# Altium PCB PiMX8MPIO_r0.1.PcbDoc (part 1 of 5)
Units mm, origin at the board's own origin, x right, y up, seen from the top; angles counter-clockwise.
Board outline 55 x 40 mm, 8 copper layers (L1 Top, L2 GND, L3 SIG, L4 GND, L5 (PWR), L6 SIG, L7 GND, L8 SIG), stack 1.624 mm thick; 131 components, 147 nets, 777 pads, 700 vias.
Unrouted connection lines stored in the file: 1.
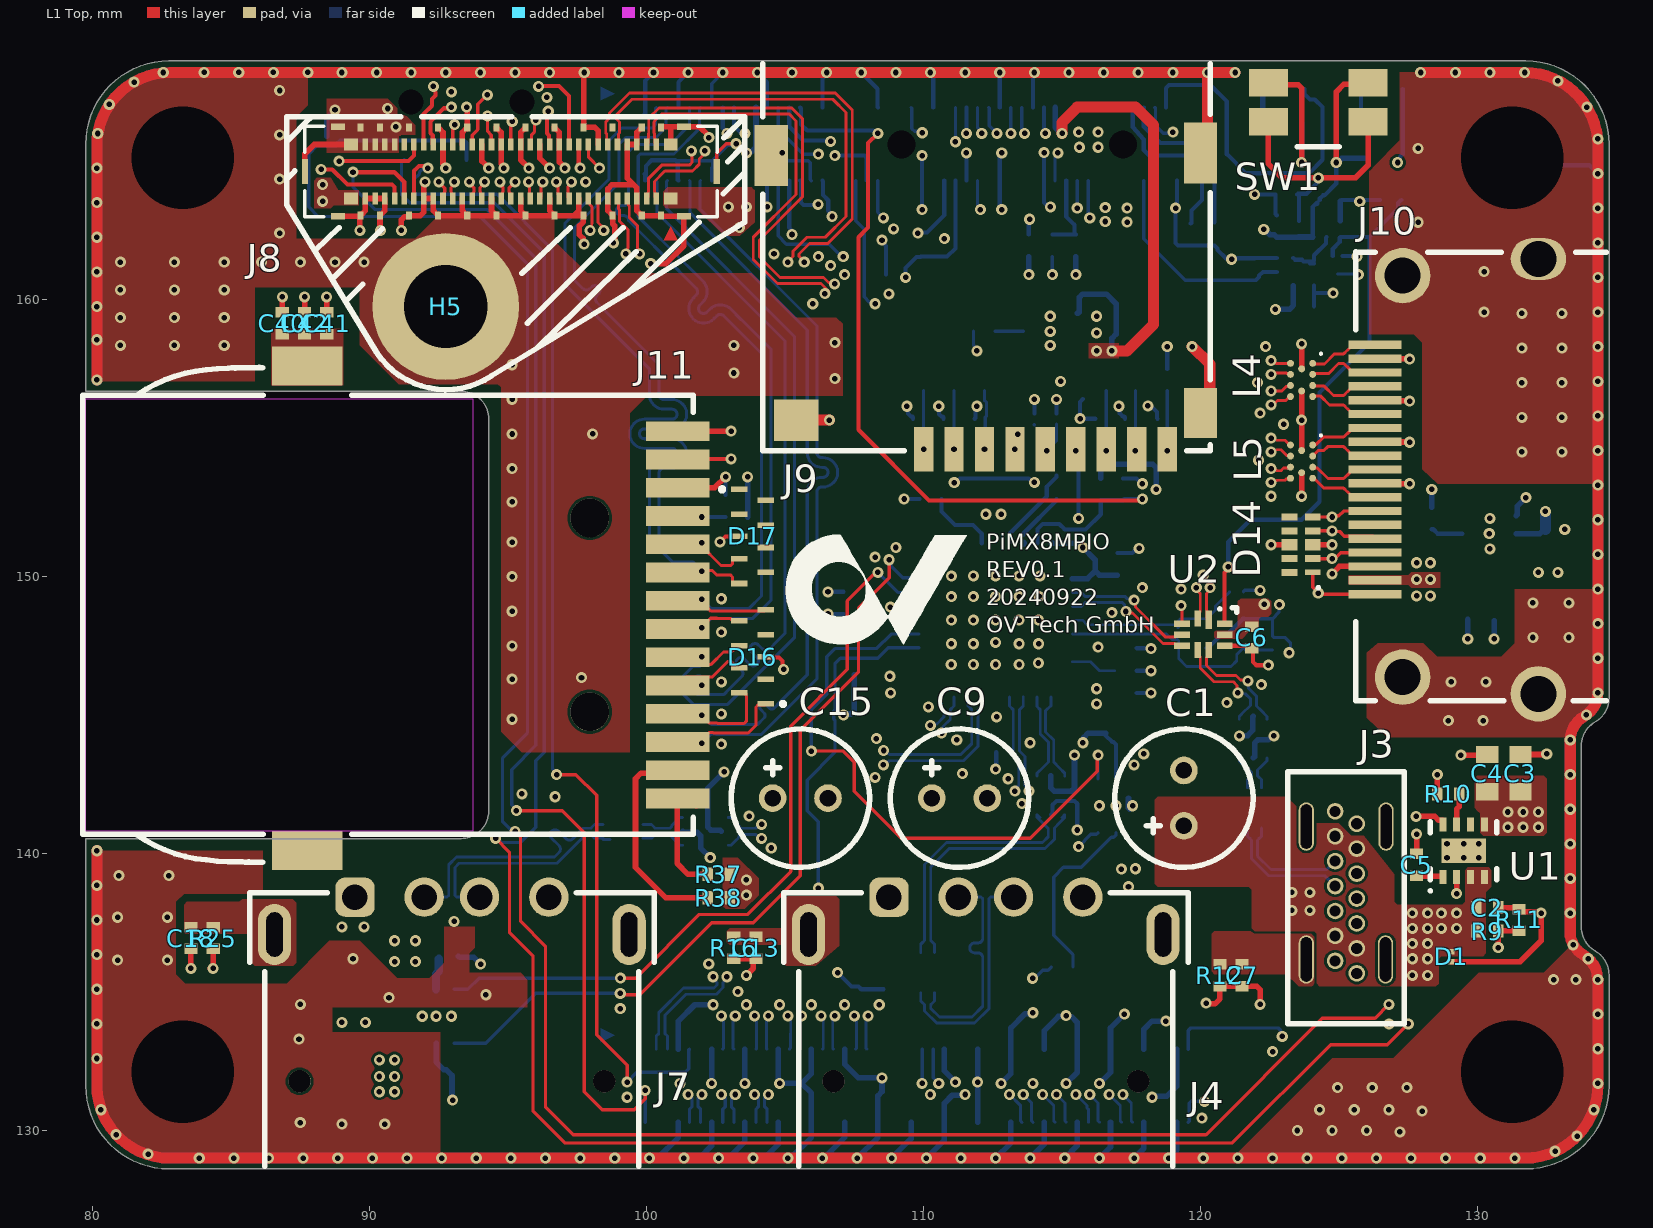
[diagram p0: L1 Top view]
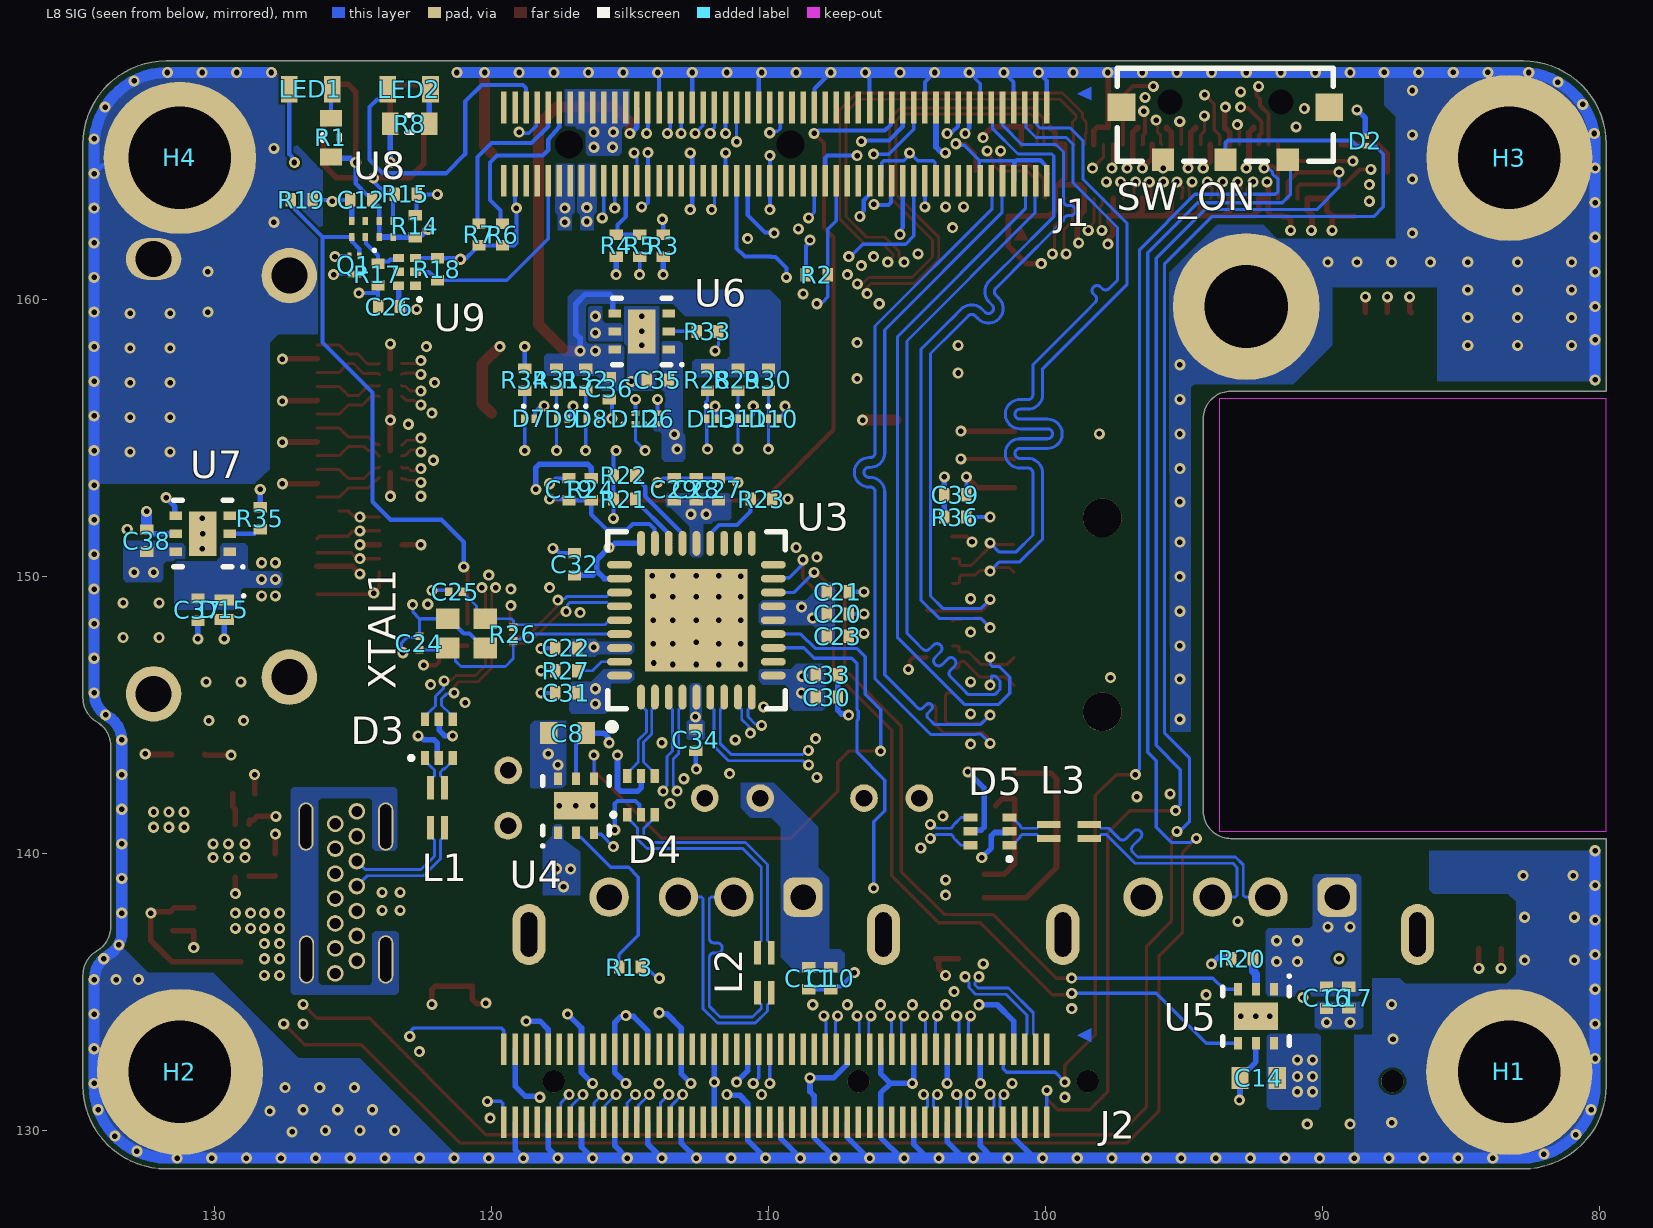
[diagram p1: L8 SIG view, seen from below]
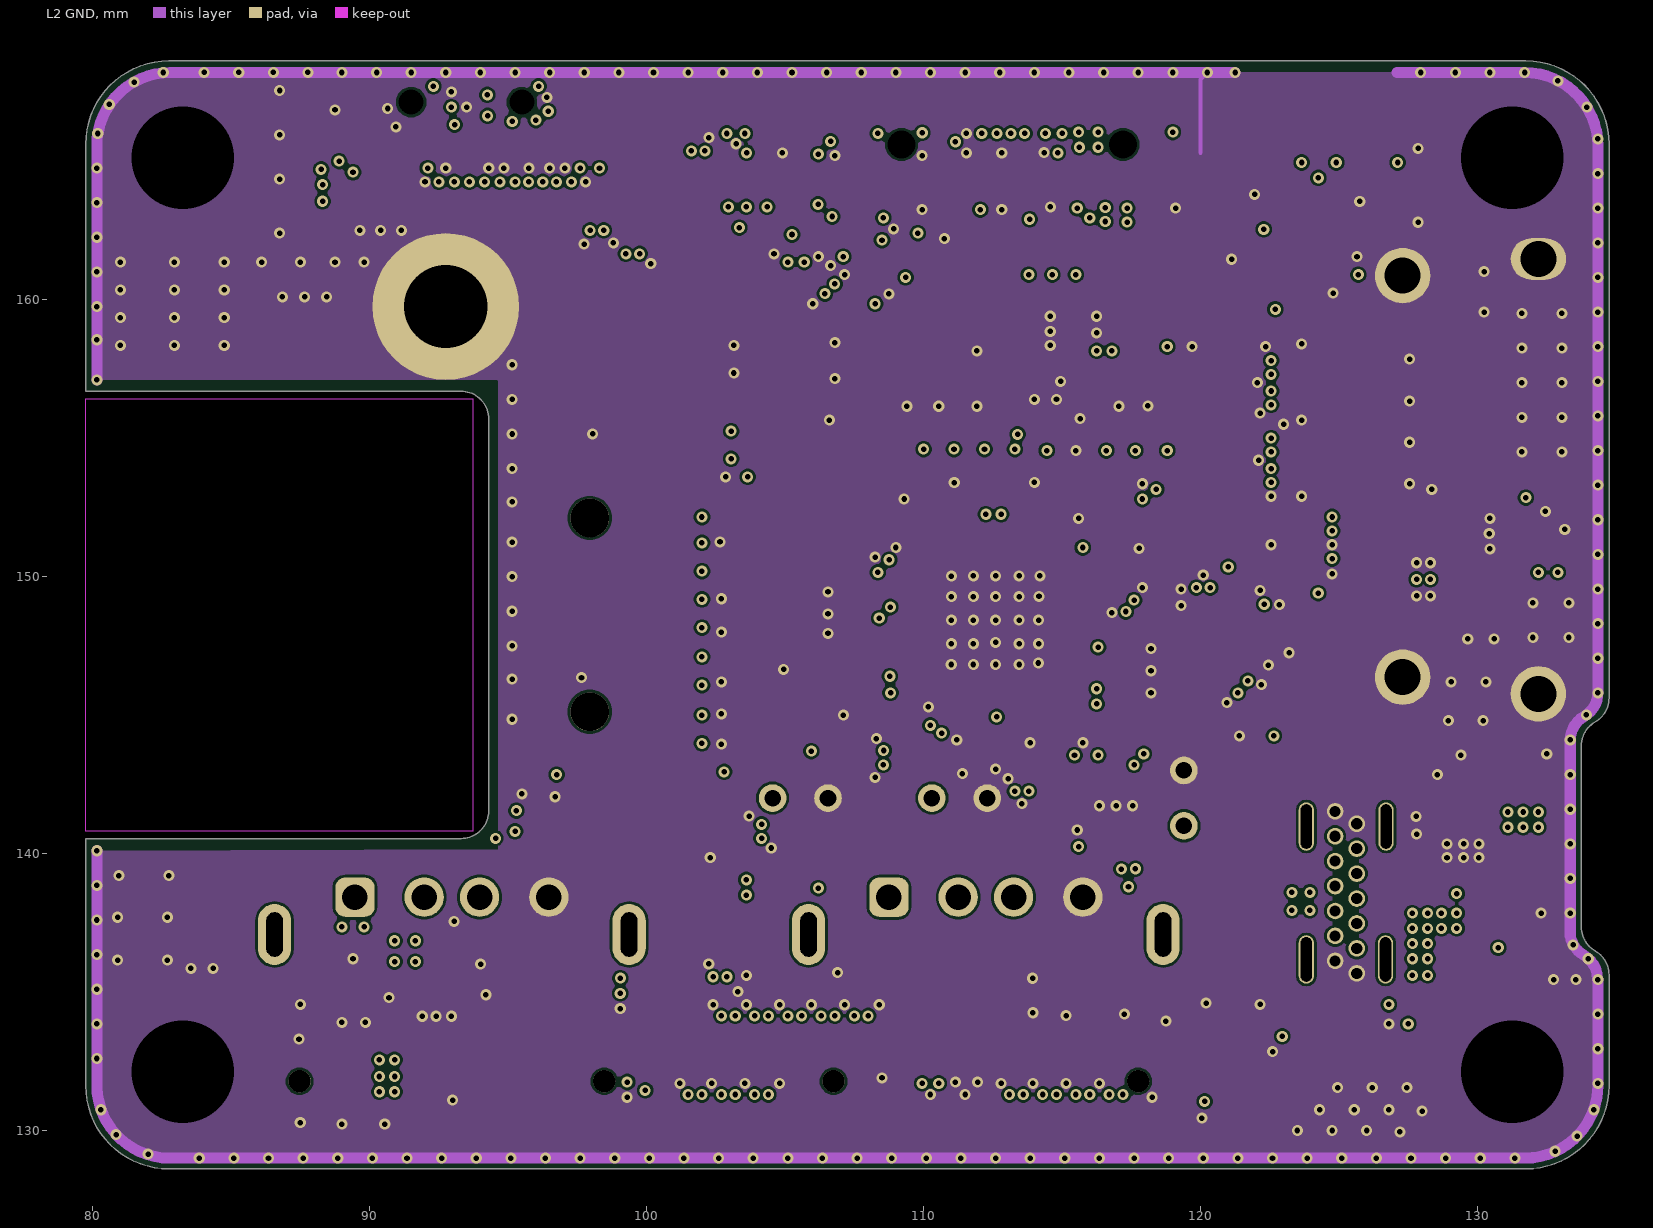
[diagram p2: L2 GND]
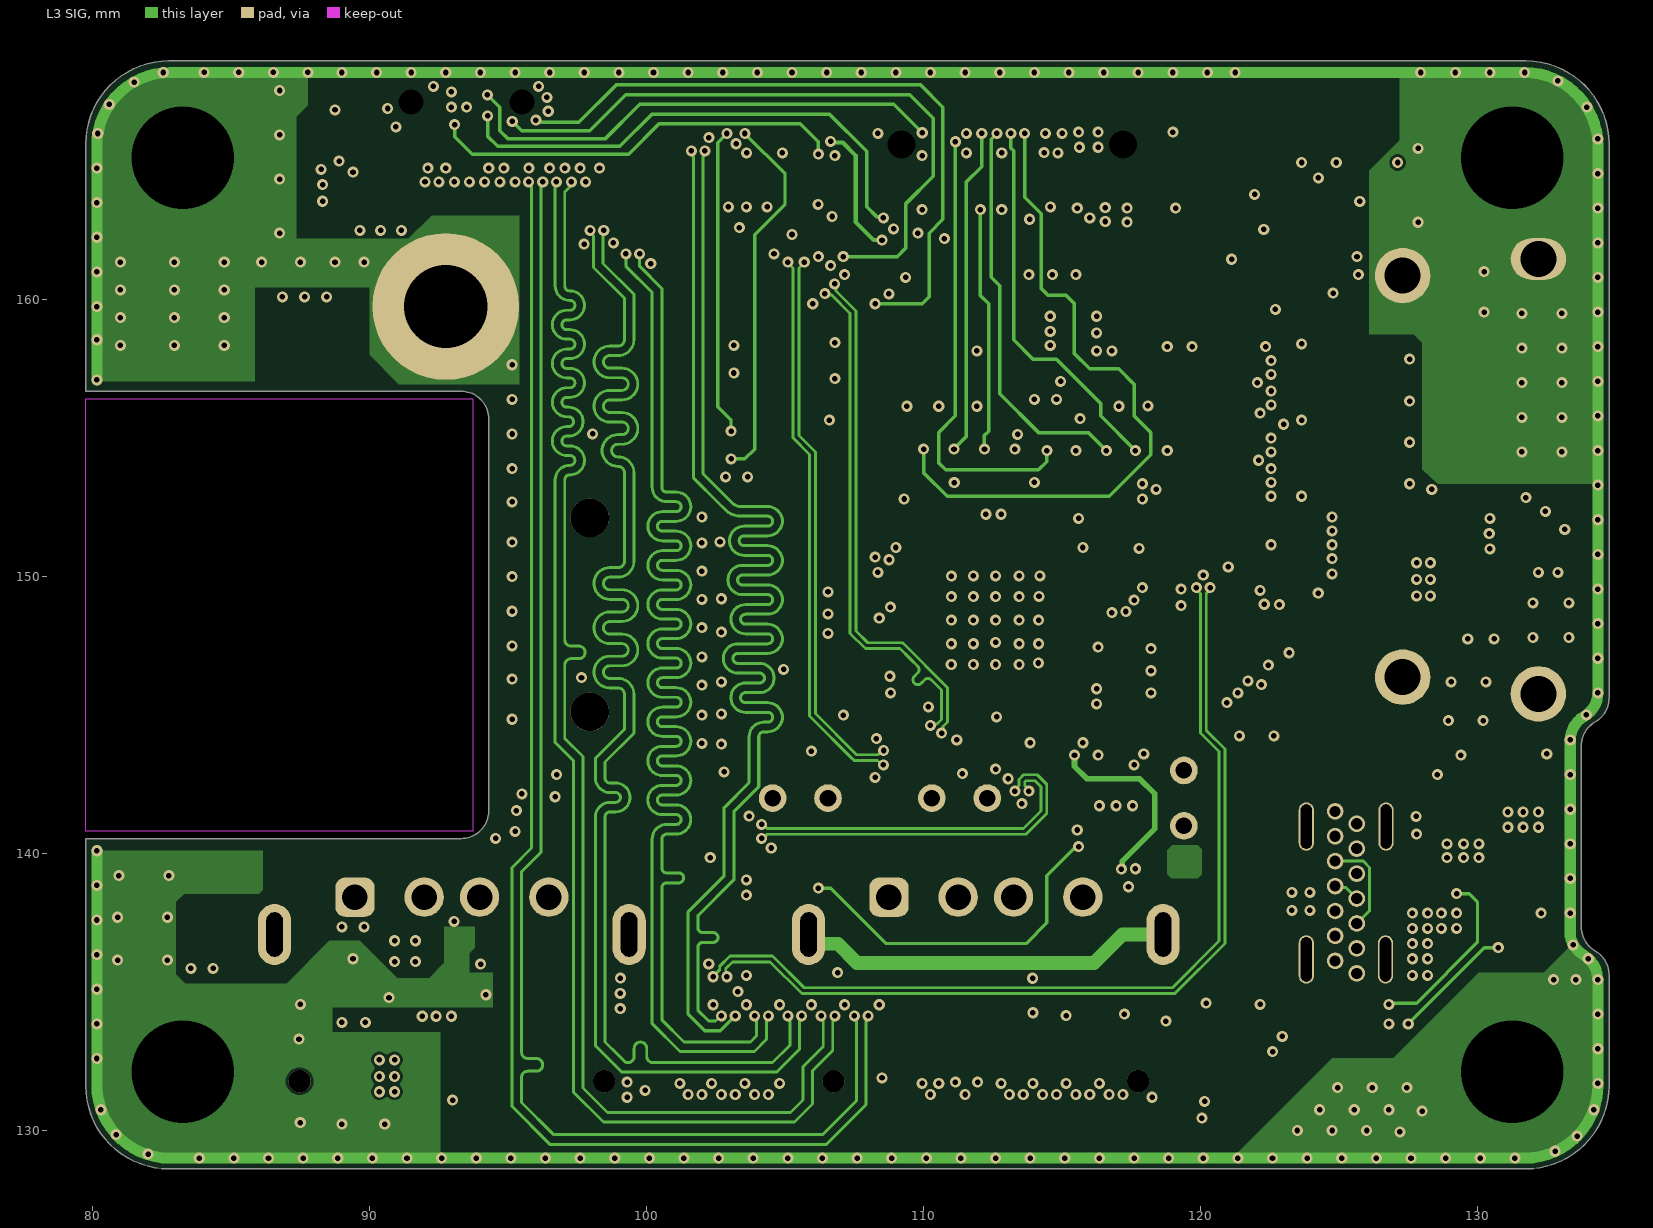
[diagram p3: L3 SIG]
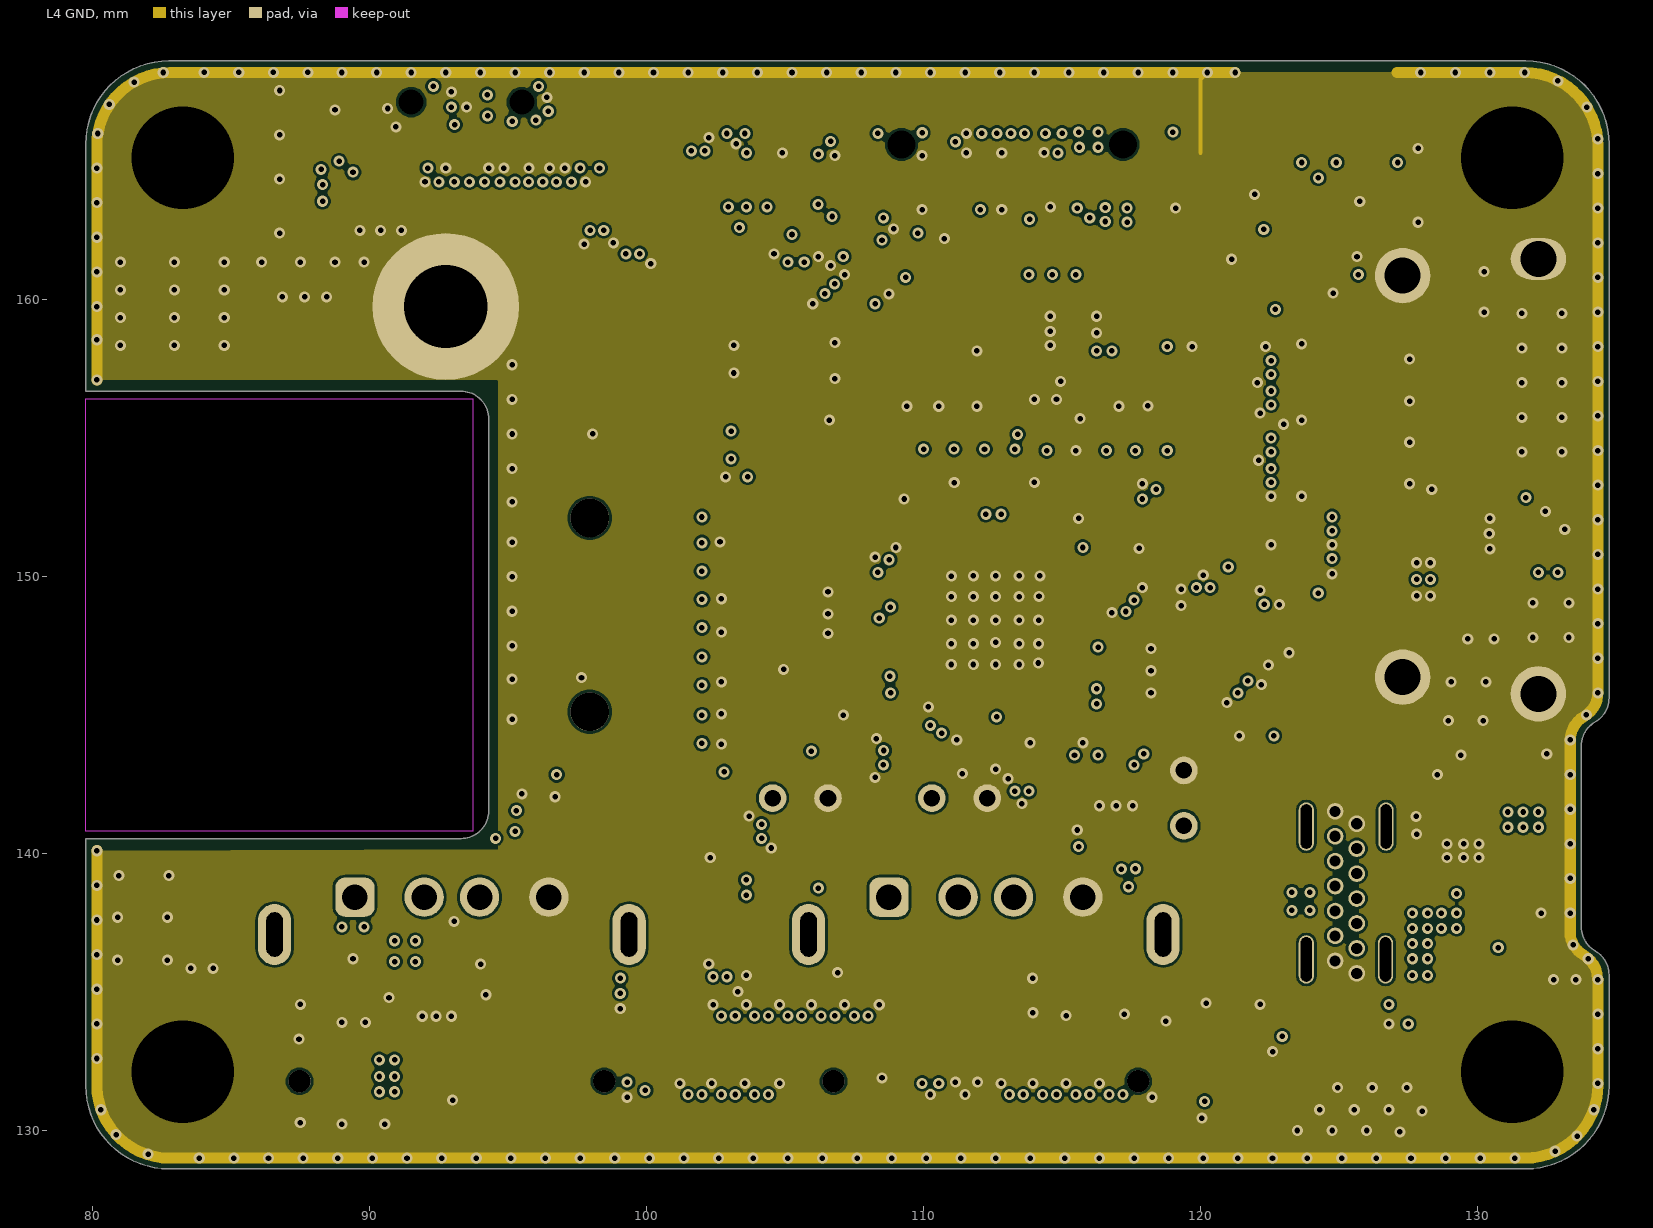
[diagram p4: L4 GND]
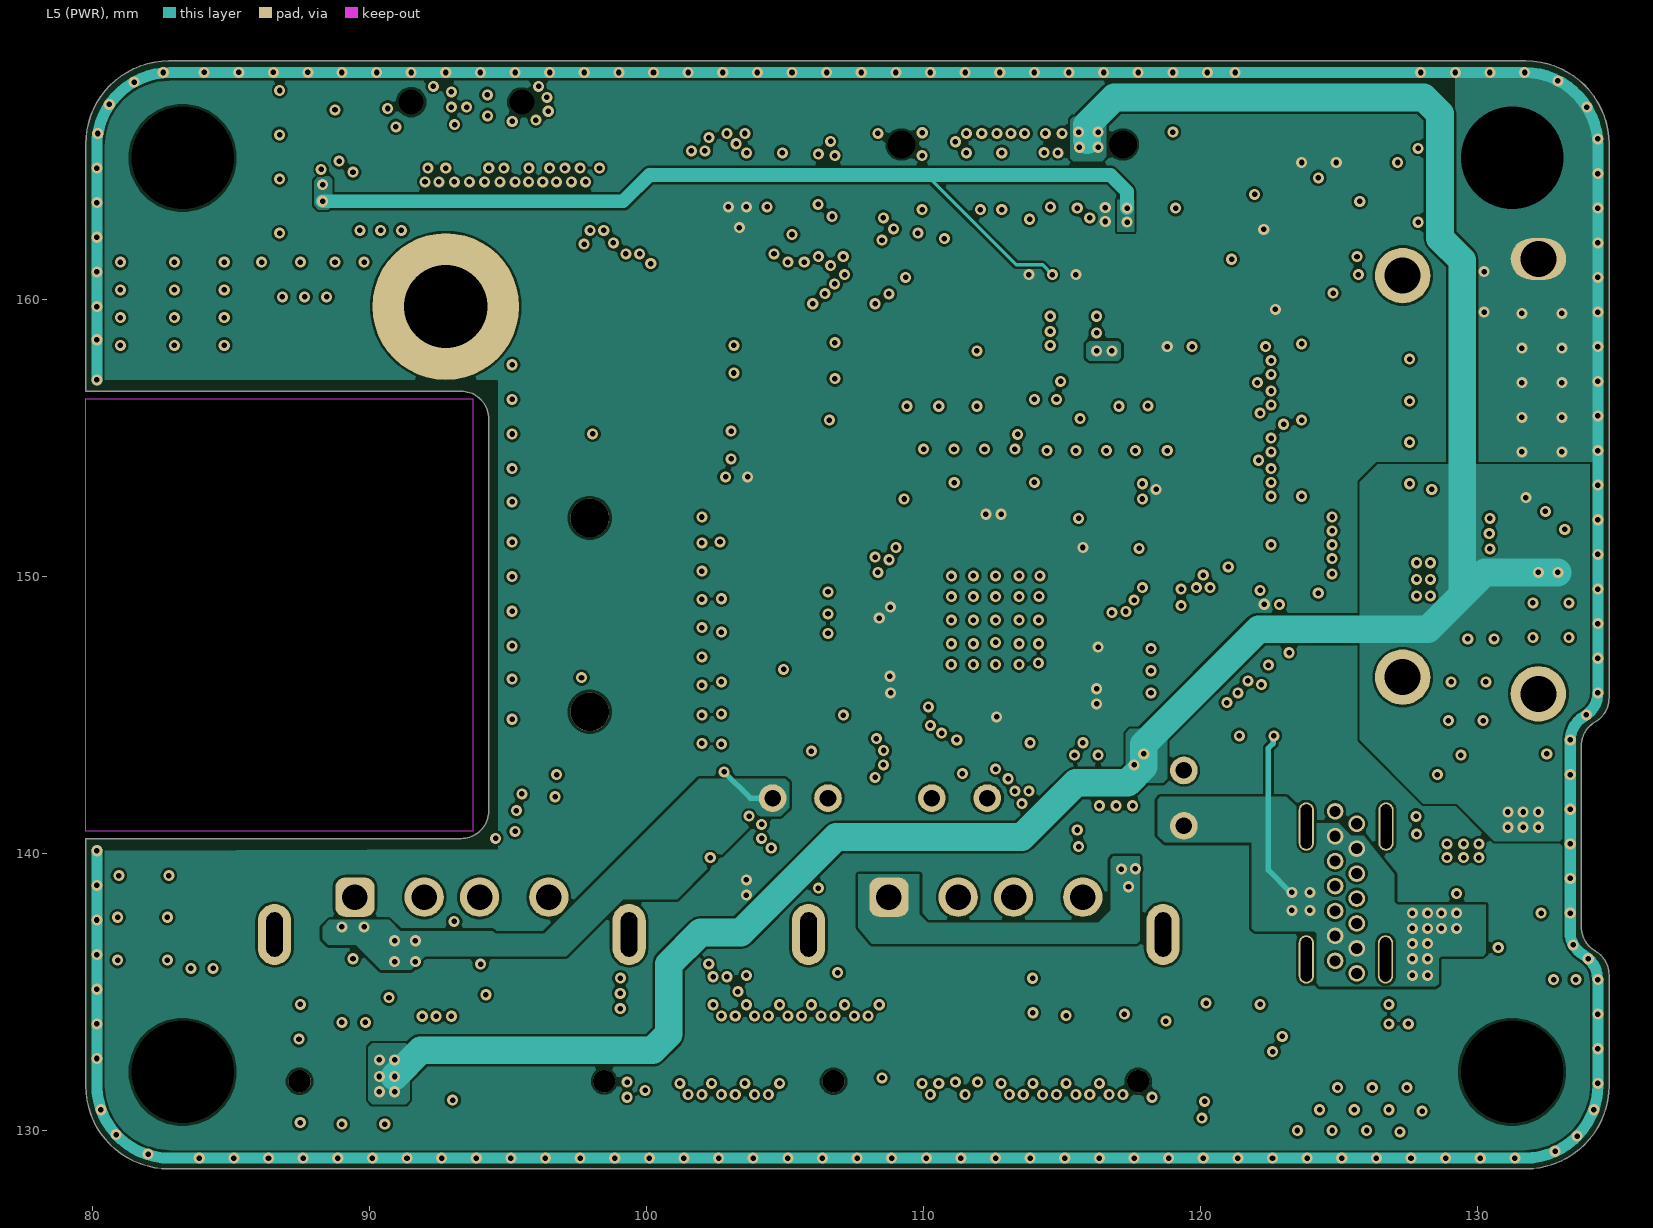
[diagram p5: L5 (PWR)]